# Altium PCB ROKET_SİGMA.PcbDoc (part 2 of 2)
Units mm, origin at the board's own origin, x right, y up, seen from the top; angles counter-clockwise.
Board outline 123.01 x 66 mm, 2 copper layers (Top Layer, Bottom Layer); 104 components, 83 nets, 451 pads, 77 vias.
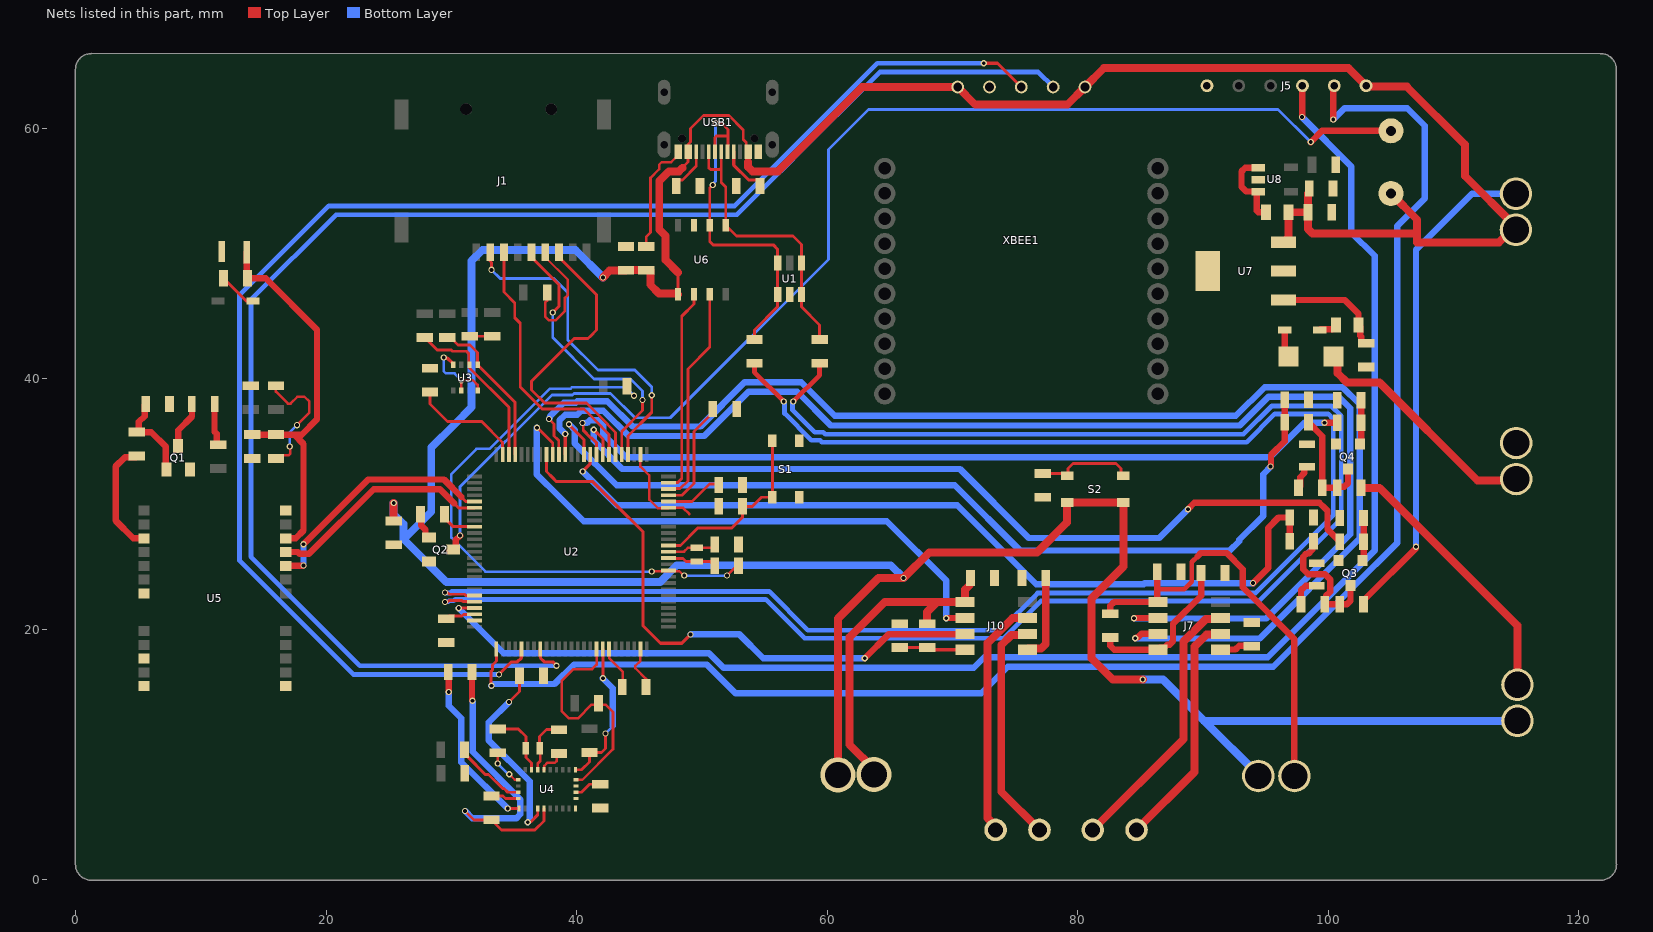
[diagram p2: the nets of this part, all layers, seen from the top]

## Via types
v1: diameter 0.5, hole 0.3, Top Layer to Bottom Layer, 73 vias
v2: diameter 4/0.6 (per signal layer), hole 2, Top Layer to Bottom Layer, 3 vias
v3: diameter 4, hole 2, Top Layer to Bottom Layer, 1 vias

## Nets (pads, with @x,y where several pads share a name; then routed paths per layer and width w, separated by ;. In a path a pad name is that pad's centre, name@x,y a point inside that pad or via, vN(x,y) a via of type N, cw(c..) or ccw(c..) an arc to the next point about the centre after c; other vN are vias at no path point) (continued)
+5V: BZ1.2 C21.2 C22.2 C23.2 C24.2 C27.2 FB2.1 J2.1 J3.1 J5.1 J6.1 J9.1 S2.3 S2.4 U6.5 U7.3 USB1.A4-B9 USB1.B4-A9 XBEE1.21 XBEE1.25 | length 312.2
  Top Layer w0.229: C23.2@45.2,48.675 C23.2@45.55,48.675 ; U6.5@48.095,46.75 48.1,46.755 48.1,48.5 ; 48.439,56.85 48.9,57.311 USB1.B4-A9@48.9,58.122 48.9,58.707 49.103,58.91 49.103,59.986 50.136,61.018 52.156,61.018 53.3,59.874 53.3,59.107 53.541,58.866 53.541,58.282 USB1.A4-B9@53.7,58.122 53.7,57.3
  Top Layer w0.635: C21.2@25.4,28.65 v1(25.4,30.1) ; v1(42.1,48.1) 42.643,48.643 43.917,48.643 C22.2@43.95,48.675 C23.2@45.2,48.675 ; C23.2@45.55,48.675 45.85,48.675 45.882,48.643 45.882,47.518 46.583,46.818 48.028,46.818 U6.5@48.095,46.75 ; 48.1,48.5 47.1,49.5 47.1,51.423 46.6,51.923 46.6,55.786 47.384,56.571 48.16,56.571 48.439,56.85 ; 53.7,57.3 53.7,56.905 54.034,56.571 56.071,56.571 62.8,63.3 XBEE1.21@70.42,63.3 71.831,61.889 79.169,61.889 XBEE1.25@80.58,63.3 82.08,64.8 101.62,64.8 J5.1@103.02,63.4 103.094,63.326 106.274,63.326 110.9,58.7 110.9,56.212 114.983,52.129 J2.1@114.983,51.9 114.628,51.9 113.628,50.9 107.1,50.9 107.1,51.6 ; J9.1@60.862,8.383 60.862,20.862 64.1,24.1 v1(66.1,24.1) 68.15,26.15 76.75,26.15 79.15,28.55 S2.3@79.15,30.125 S2.4@83.65,30.125 83.65,25.012 81.1,22.462 81.1,17.7 82.8,16 v1(85.2,16) ; U7.3@96.425,50.9 96.825,51.3 FB2.1@96.825,53.3 C24.2@98.375,53.3 ; C27.2@98.475,54.9 98.375,54.8 C24.2@98.375,53.3 ; BZ1.2@105,54.8 107.1,52.7 107.1,51.6 ; C24.2@98.375,53.3 98.375,51.972 98.747,51.6 107.1,51.6
  Bottom Layer w0.635: v1(25.4,30.1) 25.4,29.2 26.2,28.4 26.2,27.2 ; v1(42.1,48.1) 39.895,50.305 32.505,50.305 31.621,49.421 31.621,37.738 30.268,36.385 28.4,34.517 28.4,29.4 26.2,27.2 ; v1(66.1,24.1) 65.079,25.121 48.005,25.121 46.679,23.795 29.605,23.795 26.2,27.2 ; v1(85.2,16) 86.8,16 87.8,15 90.1,12.7 ; J6.1@94.424,8.3 94.424,8.376 90.1,12.7 ; J3.1@115.1,12.7 90.1,12.7
BME280_SCL: R4.1 U2.47 U3.4 | length 12.3
  Top Layer w0.229: R4.1@29.675,43.3 29.975,43.3 30.211,43.064 30.211,43.014 30.525,42.7 31.5,42.7 32.1,42.1 U3.4@32.1,41.125 35.097,38.128 U2.47@35.097,33.954
BME280_SDA: R5.1 U2.48 U3.3 | length 13.4
  Top Layer w0.229: R5.1@27.875,43.3 28.857,42.318 29.969,42.318 30.088,42.2 31.2,42.2 31.389,42.011 31.389,41.186 U3.3@31.45,41.125 31.45,40.875 34.597,37.728 U2.48@34.597,33.954
BUZZER: R15.1 U2.59 | length 3
  Top Layer w0.254: R15.1@29.45,29.175 29.45,28.9 30.146,28.204 U2.59@31.847,28.204
CH340N_UART_RX: U2.23 U6.7 | length 17.4
  Top Layer w0.229: U2.23@47.347,31.204 47.8,31.204 47.833,31.237 48.261,31.237 48.883,31.858 48.883,40.783 50.635,42.535 U6.7@50.635,46.75
CH340N_UART_TX: U2.24 U6.6 | length 16.3
  Top Layer w0.229: U2.24@47.347,31.704 47.379,31.737 48.078,31.737 48.4,32.058 48.4,45 49.365,45.965 U6.6@49.365,46.75
CS_SDCARD: J1.P2 U2.29 | length 26.5
  Top Layer w0.229: J1.P2@33.1,50.1 33.1,49.4 33.2,49.3 v1(33.2,48.7) ; U2.29@44.097,33.954 44.097,35.432 46,37.335 v1(46,38.7)
  Bottom Layer w0.229: v1(33.2,48.7) 33.9,48 38.2,48 39.3,46.9 39.3,43.1 41.7,40.7 44.649,40.7 46,39.349 v1(46,38.7)
Driver1_FWD: J7.2 U2.39 | length 103.1
  Top Layer w0.254: U2.39@39.097,33.954 39.098,33.956 39.098,35.598 v1(39.1,35.6)
  Top Layer w0.508: v1(84.5,20.9) 84.516,20.916 J7.2@86.403,20.916
  Bottom Layer w0.508: v1(39.1,35.6) 39.094,35.6 38.638,36.056 38.638,36.687 39.084,37.134 40.056,37.134 40.382,37.46 42.14,37.46 44.162,35.438 50.205,35.438 53.725,38.958 57.614,38.958 60.289,36.283 92.943,36.283 95.237,38.576 100.819,38.576 101.749,37.646 101.749,27.583 95.042,20.876 84.524,20.876 v1(84.5,20.9)
Driver1_REV: J7.3 U2.40 | length 107.3
  Top Layer w0.229: v1(37.8,36.8) 38.2,36.4 38.2,35.451 38.466,35.185 38.555,35.096 38.555,35.071 38.575,35.051 38.575,34.44 38.597,34.418 U2.40@38.597,33.954
  Top Layer w0.508: v1(84.6,19.3) 84.652,19.352 84.8,19.352 85.094,19.646 J7.3@86.403,19.646
  Bottom Layer w0.508: v1(37.8,36.8) 37.876,36.876 37.876,37.003 38.965,38.092 39.937,38.092 40.067,38.222 42.456,38.222 44.478,36.2 49.889,36.2 53.409,39.72 57.93,39.72 60.605,37.045 92.627,37.045 94.921,39.338 101.135,39.338 102.511,37.962 102.511,27.268 94.52,19.276 84.624,19.276 v1(84.6,19.3)
Driver2_FWD: J10.2 U2.41 | length 47.1
  Top Layer w0.229: v1(36.834,36.1) 36.868,36.1 38.092,34.876 38.092,33.959 U2.41@38.097,33.954
  Top Layer w0.254: v1(69.5,20.9) v1@69.516,20.916
  Top Layer w0.508: v1@69.516,20.916 J10.2@71.003,20.916
  Bottom Layer w0.508: v1(36.834,36.1) 36.834,32.367 38.565,30.636 ; 38.565,30.635 40.57,28.63 64.77,28.63 69.5,23.9 v1(69.5,20.9)
Driver2_REV: J10.3 U2.42 | length 46.7
  Top Layer w0.254: U2.42@37.597,33.954 37.597,32.603 38.1,32.1 38.4,31.8 41.3,31.8 43.1,30 45.3,27.8 45.3,20.3 46.7,18.9 48.4,18.9 v1(49.1,19.6)
  Top Layer w0.508: v1(63,17.7) 64.9,19.6 70.957,19.6 J10.3@71.003,19.646
  Bottom Layer w0.508: v1(49.1,19.6) 53,19.6 54.9,17.7 v1(63,17.7)
FÜNYE_DRAG: R18.2 R22.2 U2.35 | length 67.5
  Top Layer w0.254: v1(40.5,32.6) 40.5,32.64 41.077,33.217 41.077,33.334 41.097,33.354 U2.35@41.097,33.954
  Top Layer w0.508: v1(94,23.7) 95.2,24.9 95.2,28.1 96.031,28.931 R22.2@96.925,28.931 96.925,28.638 R18.2@96.925,27.231
  Bottom Layer w0.508: v1(40.5,32.6) 43.2,29.9 70.4,29.9 76.7,23.6 85.267,23.6 85.367,23.7 v1(94,23.7)
FÜNYE_MAIN: R19.2 R23.2 U2.36 | length 74.3
  Top Layer w0.229: v1(39.4,36.372) 39.4,36.343 40.597,35.146 U2.36@40.597,33.954
  Top Layer w0.508: v1(95.4,33) 95.428,33.028 95.428,33.922 96.525,35.019 R23.2@96.525,38.331
  Bottom Layer w0.508: v1(39.4,36.372) 39.406,36.372 39.862,35.916 39.862,34.838 43.2,31.5 70.2,31.5 75.4,26.3 92.15,26.3 92.9,27.05 92.9,27.15 94.8,29.05 94.8,32.4 v1(95.4,33)
GND: B1.2 C1.2 C2.1 C3.1 C4.1 C5.1 C6.1 C7.1 C8.1 C11.2 C12.2 C13.2 C14.1 C15.1 C16.1 C17.1 C18.1 C19.1 C20.1 C21.1 C22.1 C23.1 C24.1 C25.1 C26.1 C27.1 C28.1 C29.1 C30.1 J1.P6 J4.2 J5.6 LED3.2 LED4.2 Q1.2 Q2.2 Q3.2 Q4.2 R3.1 R6.1 R10.1 R12.1 R13.1 R14.1 R22.1 R23.1 R26.1 R27.1 R31.1 R35.1 S1.3 S1.4 U1.2 U2.10 U2.20 U2.27 U2.74 U2.99 U3.1 U3.5 U3.7 U4.2 U4.15 U4.16 U4.18 U4.25 U5.7 U5.10 U5.12 U5.13 U5.24 U6.3 U7.2 U7.4 U8.2 USB1.A1-B12 USB1.B1-A12 XBEE1.22 | length 98.9
  Top Layer w0.203: C20.1@16,33.65 16.25,33.9 17.01,33.9 17.155,34.045 17.155,34.545 v1(17.1,34.6) ; C16.1@16,39.45 16,38.981 16.955,38.026 17.174,38.026 17.721,38.573 18.279,38.573 18.673,38.179 18.673,37.305 v1(17.676,36.308) ; U3.7@30.8,39.075 v1(30.8,39.9) 31.711,39.9 32.1,39.511 U3.5@32.1,39.075 ; v1(33.7,9.3) C11.2@33.7,10.15 ; v1(34.633,8.433) 35.066,8 U4.2@35.35,8 ; U4.25@37.4,8.8 37.423,8.823 37.423,9.117 37.649,9.342 38.256,9.342 38.409,9.496 38.409,9.909 C12.2@38.6,10.1 ; J1.P6@37.5,50.1 37.5,49.71 39.3,47.91 39.3,46.7 39.07,46.47 39.07,45.413 38.351,44.694 37.769,44.694 37.494,44.969 37.494,46.094 37.65,46.25 C28.1@37.65,46.9 ; U2.99@45.097,18.444 45.097,17.497 44.684,17.084 44.684,16.916 45.55,16.05 R3.1@45.55,15.4 ; U2.27@45.097,33.954 45.097,33.003 45.8,32.3 45.8,30.367 46.493,29.674 47.317,29.674 U2.20@47.347,29.704 48.496,29.704 49,29.2 ; C23.1@45.55,50.575 45.55,51.341 45.9,51.691 45.9,56.038 46.6,56.738 46.6,57.1 46.792,57.292 47.544,57.292 48.1,57.847 USB1.B1-A12@48.1,58.122 ; v1(46,24.617) 46.044,24.661 47.303,24.661 U2.10@47.347,24.704 47.392,24.659 48.195,24.659 48.553,24.3 v1(48.6,24.3) ; v1(52,24.3) 52.775,25.075 C3.1@52.925,25.075
  Top Layer w0.279: v1(29.4,41.7) 29.442,41.658 29.692,41.658 30.115,41.235 30.115,41.16 U3.1@30.15,41.125
  Bottom Layer w0.203: v1(17.1,34.6) 17.1,35.732 v1(17.676,36.308) ; v1(29.4,41.7) 29.4,40.6 29.555,40.445 30.255,40.445 v1(30.8,39.9) ; v1(33.7,9.3) 34.567,8.433 v1(34.633,8.433) ; v1(44.579,38.66) 43.925,39.314 39.614,39.314 39.5,39.2 37.852,39.2 33.063,34.411 32.011,34.411 30,32.4 30,27.333 32.716,24.617 v1(46,24.617) ; v1(48.6,24.3) v1(52,24.3)
GPS_UART_RX: U2.56 U5.21 | length 17.9
  Top Layer w0.229: 30.248,30.048 30.593,29.704 U2.56@31.847,29.704
  Top Layer w0.508: U5.21@16.775,26.175 17.753,26.175 17.884,26.044 18.644,26.044 23.8,31.2 29.097,31.2 30.248,30.048
GPS_UART_TX: U2.55 U5.20 | length 19.7
  Top Layer w0.229: v1@18.175,25.075 v1(18.2,25.1) ; 30.79,30.585 30.79,30.562 31.148,30.204 U2.55@31.847,30.204
  Top Layer w0.508: U5.20@16.775,25.075 v1@18.175,25.075 ; v1(18.2,26.806) 23.356,31.962 29.412,31.962 30.79,30.585
  Bottom Layer w0.508: v1(18.2,25.1) v1(18.2,26.806)
MCU_N: R2.1 U2.70 | length 137
  Top Layer w0.229: v1(29.5,22.941) 29.708,22.941 29.844,22.805 31.047,22.805 31.051,22.801 31.053,22.801 31.118,22.736 31.12,22.736 31.144,22.712 31.838,22.712 U2.70@31.847,22.704
  Top Layer w0.381: R2.1@54.2,41.25 54.2,40.546 v1(56.546,38.2)
  Bottom Layer w0.381: v1(29.5,22.941) 29.523,22.918 29.932,22.918 30.048,23.033 55.365,23.033 58.463,19.935 73.836,19.935 76.803,22.902 94.189,22.902 100.399,29.111 100.399,36.789 99.989,37.199 95.745,37.199 93.495,34.949 59.584,34.949 59.433,35.1 58.748,35.1 56.606,37.242 56.606,38.108 56.546,38.168 v1(56.546,38.2)
MCU_P: R1.1 U2.71 | length 138.3
  Top Layer w0.229: v1(29.5,22.187) 29.708,22.187 29.844,22.322 30.347,22.322 30.351,22.318 30.854,22.318 30.918,22.254 30.921,22.254 30.945,22.23 31.361,22.23 31.387,22.204 U2.71@31.847,22.204
  Top Layer w0.381: v1(57.3,38.2) 59.4,40.3 R1.1@59.4,41.25 R1.1@59.1,41.25
  Bottom Layer w0.381: v1(29.5,22.187) 29.523,22.209 29.751,22.209 29.824,22.283 30.195,22.283 30.311,22.398 55.102,22.398 58.2,19.3 74.099,19.3 77.066,22.267 94.452,22.267 101.034,28.848 101.034,37.052 100.252,37.834 95.482,37.834 93.232,35.584 59.847,35.584 59.696,35.735 59.011,35.735 57.241,37.506 57.241,38.108 57.3,38.168 v1(57.3,38.2)
NetB1_1: B1.1 C19.2 C20.2 R7.1 U5.22 | length 31.8
  Top Layer w0.508: B1.1@13.675,50.113 13.675,48.075 R7.1@13.725,48.025 15.175,48.025 19.283,43.917 19.283,36.783 18.05,35.55 17.45,35.55 ; C19.2@14.1,35.55 C20.2@16,35.55 17.45,35.55 ; U5.22@16.775,27.275 17.575,27.275 18.2,27.9 18.2,34.8 17.45,35.55
NetBZ1_1: BZ1.1 Q2.3 | length 100.3
  Top Layer w0.508: Q2.3@30.125,26.375 30.217,26.375 30.363,26.521 30.363,27.153 v1(30.7,27.49) ; v1(98.6,58.9) 99.5,59.8 BZ1.1@105,59.8
  Bottom Layer w0.229: v1(30.7,27.49) 30.7,31.384 38.031,38.714 39.679,38.714 39.809,38.844 42.713,38.844 44.658,36.9 47.47,36.9 60.1,49.53 60.1,58.3 63.3,61.5 96,61.5 v1(98.6,58.9)
NetC2_2: C2.2 U2.22 | length 9
  Top Layer w0.229: U2.22@47.347,30.704 47.35,30.707 48.414,30.707 49.365,31.658 49.365,35.8 50.876,37.311 C2.2@50.876,37.59
NetC5_2: C5.2 U2.49 | length 9
  Top Layer w0.229: C5.2@28.3,38.95 28.3,38 29.7,36.6 32.426,36.6 34.097,34.929 U2.49@34.097,33.954
NetC6_2: C6.2 U2.73 | length 2.4
  Top Layer w0.229: C6.2@29.6,20.85 29.832,21.082 30.856,21.082 30.978,21.204 U2.73@31.847,21.204
NetC7_2: C7.2 U2.21 | length 4.6
  Top Layer w0.229: U2.21@47.347,30.204 49.204,30.204 50.6,31.6 51.275,31.6 C7.2@51.35,31.525
NetC8_2: C8.2 S1.1 S1.2 U2.14 | length 14.9
  Top Layer w0.229: U2.14@47.347,26.704 48.29,26.704 49.675,28.09 52.39,28.09 53.25,28.949 C8.2@53.25,29.825 54.025,29.825 54.75,30.55 S1.1@55.625,30.55 S1.2@55.625,35.05
NetC9_1: C9.1 C10.1 | length 1.8
  Top Layer w0.229: C10.1@31.475,43.4 C9.1@33.275,43.4
NetC11_1: C11.1 U4.27 Y2.1 | length 5.3
  Top Layer w0.229: C11.1@33.7,12.05 35.35,12.05 35.95,11.45 35.95,9.78 36.395,9.335 36.395,8.805 U4.27@36.4,8.8
NetC12_1: C12.1 U4.26 Y2.2 | length 4.5
  Top Layer w0.229: U4.26@36.9,8.8 36.9,9.3 37.1,9.5 37.1,10.45 Y2.2@37.05,10.5 37.05,11.45 37.6,12 C12.1@38.6,12
NetC14_2: C14.2 U4.9 | length 15.7
  Top Layer w0.229: v1(34.6,14.2) 35.45,15.05 C14.2@35.45,16.3 ; v1(36.1,4.6) 36.152,4.652 36.352,4.652 36.9,5.2 U4.9@36.9,5.7
  Bottom Layer w0.508: v1(34.6,14.2) 33,12.6 33,11.137 36.262,7.875 36.262,4.762 v1(36.1,4.6)
NetC17_2: C17.2 J6.2 J7.1 R8.2 | length 34.6
  Top Layer w0.381: 86.403,23.203 88.503,23.203 89.106,23.806 89.106,25.382 89.578,25.854
  Top Layer w0.508: R8.2@82.6,21.25 82.6,21.888 82.898,22.186 J7.1@86.403,22.186 86.35,22.238 C17.2@86.35,24.6 ; 89.578,25.854 89.824,26.1 91.886,26.1 93.179,24.808 93.179,23.36 97.3,19.238 J6.2@97.3,8.3
NetC18_2: C18.2 J7.5 | length 2.7
  Top Layer w0.508: J7.5@91.398,18.376 91.422,18.4 92.6,18.4 92.9,18.7 93.85,18.7 C18.2@93.9,18.65
NetC25_2: C25.2 FB1.2 U7.1 | length 9.2
  Top Layer w0.508: U7.1@96.425,46.3 101.316,46.3 102.414,45.202 FB1.2@102.414,44.3 102.56,44.154 102.56,43.44 102.629,43.371 102.629,42.946 102.725,42.85 C25.2@103.025,42.85
NetC29_2: C29.2 J9.2 J10.1 R34.2 | length 26.3
  Top Layer w0.635: J9.2@63.738,8.418 63.738,8.851 61.792,10.797 61.792,19.379 64.598,22.186 68.786,22.186 ; R34.2@68,20.45 67.981,20.469 67.981,21.381 68.786,22.186 ; C29.2@71.45,24.1 71.417,24.067 71.417,23.589 71.003,23.174 J10.1@71.003,22.186 68.786,22.186
NetC30_2: C30.2 J10.5 | length 6.9
  Top Layer w0.635: J10.5@75.998,18.376 76.081,18.459 77.078,18.459 77.45,18.831 C30.2@77.45,24.1
NetD1_1: D1.1 R7.2 | length 3.1
  Top Layer w0.229: R7.2@11.825,48.025 13.625,46.225 D1.1@14.175,46.225
NetD3_1: D3.1 FB1.1 | length 1.5
  Top Layer w0.508: D3.1@99.325,43.9 99.379,43.954 100.339,43.954 100.625,44.239 FB1.1@100.625,44.3
NetD3_2: D3.2 F1.2 | length 2.2
  Top Layer w0.508: D3.2@96.525,43.9 96.525,42.1 F1.2@96.825,41.8
NetFB2_2: FB2.2 U8.1 U8.3 | length 6.5
  Top Layer w0.508: U8.3@94.416,54.953 U8.3@94.286,54.953 ; U8.1@94.416,56.853 93.374,56.853 93.076,56.556 93.076,55.324 93.447,54.953 U8.3@94.286,54.953 ; FB2.2@95.036,53.3 94.42,53.3 94.286,53.434 U8.3@94.286,54.953
NetJ2_2: J2.2 R16.2 | length 39.9
  Top Layer w0.508: R16.2@102.825,22 102.921,22.096 102.921,22.396 107,26.475 v1(107,26.6)
  Bottom Layer w0.508: v1(107,26.6) 107,50.3 111.476,54.776 J2.2@114.983,54.776
NetJ3_2: J3.2 R17.2 | length 21.8
  Top Layer w0.635: R17.2@102.625,31.3 104.1,31.3 115.1,20.3 J3.2@115.1,15.576
NetJ7_4: J7.4 R8.1 R10.2 | length 12.4
  Top Layer w0.508: R8.1@82.6,19.35 82.6,18.7 82.924,18.376 J7.4@86.403,18.376 86.55,18.523 86.901,18.523 87.166,18.788 87.344,18.788 87.612,19.056 87.612,20.461 89.85,22.699 R10.2@89.85,24.5
NetJ7_6: J7.6 J8.1 | length 19
  Top Layer w0.635: J8.1@84.7,4 89.327,8.627 89.327,18.627 89.7,19 90.3,19.6 91.352,19.6 J7.6@91.398,19.646
NetJ7_7: J7.7 J8.2 | length 21.8
  Top Layer w0.635: J8.2@81.2,4 88.438,11.238 88.438,19.038 90.241,20.841 91.323,20.841 J7.7@91.398,20.916
NetJ10_4: J10.4 R34.1 R35.2 | length 5
  Top Layer w0.254: R35.2@66.1,18.55 R34.1@68,18.55 68.174,18.376 J10.4@71.003,18.376
NetJ10_6: J10.6 J11.1 | length 18.5
  Top Layer w0.635: J10.6@75.998,19.646 75.914,19.562 74.72,19.562 73.9,18.743 73.9,7.05 J11.1@76.95,4
NetJ10_7: J10.7 J11.2 | length 19.2
  Top Layer w0.635: J11.2@73.45,4 73.45,4.304 72.8,4.954 72.8,18.9 74.8,20.9 75.982,20.9 J10.7@75.998,20.916
NetLED2_1: LED2.1 R9.1 | length 3.4
  Top Layer w0.508: LED2.1@11.1,38 11.1,35.781 11.273,35.608 11.273,34.877 R9.1@11.4,34.75
NetLED2_2: LED2.2 Q1.3 | length 3.8
  Top Layer w0.508: Q1.3@8.2,34.65 8.2,35.9 9.3,37 LED2.2@9.3,38
NetLED3_1: LED3.1 R20.1 | length 2.5
  Top Layer w0.508: R20.1@97.825,22 97.825,23.13 98.195,23.5 LED3.1@99.075,23.5
NetLED4_1: LED4.1 R21.1 | length 2
  Top Layer w0.508: R21.1@97.625,31.3 97.759,31.434 97.759,32.159 98.091,32.491 98.091,32.814 98.277,33 LED4.1@98.3,33
NetQ1_1: Q1.1 R11.2 R12.2 | length 7.2
  Top Layer w0.508: R12.2@5.6,38 5.519,37.919 5.519,37.019 5.064,36.564 5.064,35.846 4.968,35.75 R11.2@4.9,35.75 6.05,35.75 7.2,34.6 7.2,32.8 Q1.1@7.25,32.75
NetQ2_1: Q2.1 R15.2 | length 2.2
  Top Layer w0.508: R15.2@27.55,29.2 27.582,29.168 27.582,28.318 27.943,27.957 27.943,27.598 28.216,27.325 Q2.1@28.225,27.325
NetQ3_1: Q3.1 R24.2 R26.2 | length 3.2
  Top Layer w0.254: Q3.1@102.725,25.5 Q3.1@102.825,25.6
  Top Layer w0.508: Q3.1@102.825,25.6 R24.2@102.825,27 ; R24.2@102.825,27.2 R26.2@102.825,28.9
NetQ3_3: Q3.3 R16.1 R18.1 R20.2 | length 10.7
  Top Layer w0.508: R18.1@98.825,27.031 98.729,26.935 98.729,26.355 98.431,26.057 98.261,26.057 97.993,25.789 97.993,24.811 98.403,24.4 99.747,24.4 100.157,23.989 100.157,23.011 99.821,22.674 99.821,22.096 R20.2@99.725,22 R16.1@100.925,22 101.5,22 101.775,22.275 Q3.3@101.775,23.5
NetQ4_1: Q4.1 R25.2 R27.2 | length 3.5
  Top Layer w0.229: Q4.1@102.525,34.8 Q4.1@102.625,34.9
  Top Layer w0.508: Q4.1@102.625,34.9 R25.2@102.625,36.5 R27.2@102.625,38.3
NetQ4_3: Q4.3 R17.1 R19.1 R21.2 | length 9
  Top Layer w0.508: R19.1@98.425,36.531 99.525,35.431 R21.2@99.525,31.3 R17.1@100.725,31.3 100.809,31.384 101.284,31.384 101.575,31.675 Q4.3@101.575,32.8
NetR3_2: R3.2 U2.94 | length 3.2
  Top Layer w0.203: U2.94@42.597,18.444 42.614,18.427 42.614,17.686 43.7,16.6 43.7,15.7 R3.2@43.725,15.675
NetR6_2: R6.2 S2.1 S2.2 | length 7.8
  Top Layer w0.229: R6.2@77.2,32.45 78.975,32.45 S2.1@79.15,32.275 79.234,32.359 79.234,32.834 79.633,33.233 83.067,33.233 83.466,32.834 83.466,32.459 S2.2@83.65,32.275
NetR13_2: R13.2 USB1.A5 | length 4
  Top Layer w0.254: USB1.A5@52.55,58.122 52.55,57.067 53.745,55.872 54.427,55.872 54.65,55.649 R13.2@54.65,55.4
NetR14_2: R14.2 USB1.B5 | length 3.5
  Top Layer w0.229: R14.2@47.95,55.4 47.95,55.649 48.186,55.885 48.444,55.885 49.55,56.991 USB1.B5@49.55,58.122
NetR28_1: R28.1 U2.93 U4.20 | length 12.1
  Top Layer w0.229: U4.20@39.9,8.8 40.4,8.8 41.025,9.425 R28.1@41.025,10.175 41.977,10.175 42.3,10.498 v1(42.3,11.7) ; U2.93@42.097,18.444 42.1,18.441 v1(42.1,16.1)
  Bottom Layer w0.229: v1(42.3,11.7) 42.9,12.3
  Bottom Layer w0.508: v1(42.1,16.1) 42.9,15.3 42.9,12.3
NetR29_2: R29.2 U2.92 U4.19 | length 19
  Top Layer w0.203: U4.19@39.95,8 40.467,8 42.906,10.439 42.906,13.394 42.3,14 41.85,14 R29.2@41.75,14.1 41.65,14 41.2,14 40.1,12.9 39.4,12.9 38.8,13.5 38.8,15.9 39.736,16.836 41.237,16.836 41.597,17.196 U2.92@41.597,18.444
NetR30_1: R30.1 U4.4 | length 5.4
  Top Layer w0.229: R30.1@31.15,10 31.314,9.836 31.314,9.83 32.712,8.432 32.975,8.432 34.101,7.306 34.193,7.306 34.5,7 U4.4@35.35,7
NetR31_2: R31.2 U4.17 | length 2.2
  Top Layer w0.229: U4.17@39.95,7 40.4,7 41.041,7.641 41.891,7.641 R31.2@41.9,7.65
NetR32_1: R32.1 R33.1 U4.10 | length 25.8
  Top Layer w0.229: v1(31.1,5.5) 31.8,4.8 R32.1@33.2,4.8 34.018,3.982 36.657,3.982 36.975,4.3 37,4.3 37.4,4.7 U4.10@37.4,5.7 ; v1@31.65,14.35 v1(31.7,14.3)
  Top Layer w0.508: v1@31.65,14.35 R33.1@31.65,16.6
  Bottom Layer w0.508: v1(31.1,5.5) 31.102,5.5 31.664,4.938 35.202,4.938 35.5,5.236 35.5,6.428 31.7,10.228 v1@31.7,14.195
NetR32_2: R32.2 U4.5 | length 2.2
  Top Layer w0.229: R32.2@33.2,6.7 34.117,6.7 34.317,6.5 U4.5@35.35,6.5
NetR33_2: R33.2 U4.6 | length 13.8
  Top Layer w0.229: R33.2@29.75,16.6 R33.2@29.8,16.55 ; v1(34.5,5.7) U4.6@35.4,5.7
  Top Layer w0.508: v1(29.8,15) R33.2@29.8,16.55
  Bottom Layer w0.508: v1(29.8,15) 29.8,13.9 30.8,12.9 30.8,9.4 v1(34.5,5.7)
OSC_IN: C3.2 U2.12 Y1.2 | length 3.9
  Top Layer w0.229: U2.12@47.347,25.704 47.377,25.674 48.491,25.674 48.74,25.425 50.675,25.425 C3.2@51.025,25.075
OSC_OUT: C4.2 U2.13 Y1.1 | length 3.9
  Top Layer w0.203: U2.13@47.347,26.204 48.573,26.204 48.889,26.52 49.32,26.52 49.325,26.525 50.777,26.525 C4.2@51.025,26.775 C4.2@51.025,26.775
SPI1_MISO_SDCARD: J1.P7 U2.31 | length 24.9
  Top Layer w0.229: J1.P7@38.6,50.1 38.6,49.71 41.6,46.71 41.6,43.9 41.1,43.4 40.914,43.214 39.814,43.214 36.414,39.814 36.414,39.116 37.454,38.076 40.781,38.076 42.465,36.392 42.465,36.361 43.097,35.729 U2.31@43.097,33.954
SPI1_MOSI_SDCARD: J1.P3 U2.32 | length 21.6
  Top Layer w0.229: J1.P3@34.2,50.1 34.2,46.924 35.064,46.06 35.064,44.879 35.5,44.443 35.5,39.348 37.254,37.593 40.581,37.593 41.982,36.192 41.982,36.161 42.597,35.546 U2.32@42.597,33.954
SPI1_SCK_SDCARD: J1.P5 U2.30 | length 22.6
  Top Layer w0.229: J1.P5@36.4,50.1 36.4,49.71 38.6,47.51 38.6,45.8 v1(38.1,45.3) ; U2.30@43.597,33.954 43.6,33.957 43.6,35.8 45.266,37.466 v1(45.266,38.307)
  Bottom Layer w0.229: v1(38.1,45.3) 38.1,43.3 41.4,40 44.3,40 45.266,39.034 v1(45.266,38.307)
SWCLK: J5.2 U2.76 | length 127.2
  Top Layer w0.229: v1(33.2,15.5) 33.182,15.518 33.182,16.656 33.295,16.77 33.295,17.17 33.597,17.471 U2.76@33.597,18.444
  Top Layer w0.508: v1(100.4,60.7) 100.4,63.32 J5.2@100.48,63.4
  Bottom Layer w0.508: v1(33.2,15.5) 33.342,15.642 38.242,15.642 39.8,17.2 50.387,17.2 52.687,14.9 72.3,14.9 74.417,17.017 95.617,17.017 102,23.4 105.5,26.9 105.5,52.2 107.7,54.4 107.7,60.2 106.3,61.6 101.3,61.6 v1(100.4,60.7)
SWDIO: J5.3 U2.72 | length 119.7
  Top Layer w0.229: v1(30.6,21.7) 30.602,21.702 31.845,21.702 U2.72@31.847,21.704
  Top Layer w0.508: v1(97.9,60.9) 97.92,60.92 97.92,63.38 J5.3@97.94,63.4
  Bottom Layer w0.508: v1(30.6,21.7) 34.2,18.1 50.565,18.1 51.727,16.938 71.707,16.938 72.549,17.779 95.179,17.779 103.7,26.3 103.7,49.822 101.85,51.672 101.85,56.95 v1(97.9,60.9)
TIMEPULSE: R11.1 U5.3 | length 9.2
  Top Layer w0.508: R11.1@4.9,33.85 4.804,33.754 3.954,33.754 3.2,33 3.2,28.7 4.625,27.275 U5.3@5.475,27.275
TRIG_DRAG: R24.1 U2.33 | length 69.2
  Top Layer w0.229: v1(41.364,35.936) 42.097,35.203 U2.33@42.097,33.954
  Top Layer w0.508: v1(88.8,29.6) 89.3,30.1 99.3,30.1 99.362,30.038 99.364,30.038 99.632,29.77 99.632,29.768 99.941,29.459 99.941,27.984 R24.1@100.925,27
  Bottom Layer w0.508: v1(41.364,35.936) 41.364,35.09 43.654,32.8 70.6,32.8 76.1,27.3 86.5,27.3 v1(88.8,29.6)
TRIG_MAIN: R25.1 U2.34 | length 66.1
  Top Layer w0.229: v1(40.476,36.476) 40.528,36.424 40.528,35.897 41.137,35.288 41.205,35.288 41.597,34.897 U2.34@41.597,33.954
  Top Layer w0.508: v1(99.7,36.5) R25.1@100.725,36.5
  Bottom Layer w0.508: v1(40.476,36.476) 40.827,36.476 41.048,36.698 41.68,36.698 42.126,36.252 42.126,35.574 43.96,33.74 95.068,33.74 95.09,33.762 95.362,33.762 98.1,36.5 v1(99.7,36.5)
USB_N: R2.2 U1.1 U1.6 U6.2 USB1.A7 USB1.B7 | length 28.5
  Top Layer w0.229: v1(50.868,55.468) 50.635,55.235 U6.2@50.635,52.25 50.635,50.965 50.9,50.7 55.7,50.7 56.05,50.35 U1.6@56.05,49.255 U1.1@56.05,46.745 56.05,45.75 54.2,43.9 R2.2@54.2,43.15 ; USB1.A7@51.05,58.122 51.05,59.266 51.184,59.4 52.083,59.4 ; v1(51.1,60.4) 51.6,60.4 52.083,59.917 52.083,59.4 ; USB1.B7@52.05,58.122 52.05,58.551 52.083,58.583 52.083,59.4
  Bottom Layer w0.229: v1(50.868,55.468) 50.868,55.541 51.1,55.773 v1(51.1,60.4)
USB_P: R1.2 U1.3 U1.4 U6.1 USB1.A6 USB1.B6 | length 23.3
  Top Layer w0.229: USB1.B6@50.55,58.122 50.55,56.85 50.7,56.7 51.416,56.7 51.55,56.834 ; USB1.A6@51.55,58.122 51.55,56.834 ; R1.2@59.4,43.15 59.4,44.3 57.95,45.75 U1.3@57.95,46.745 U1.4@57.95,49.255 57.95,50.724 57.274,51.4 52.755,51.4 U6.1@51.905,52.25 51.905,55.322 51.55,55.677 51.55,56.575 51.55,56.834
VCC: F1.1 J4.1 | length 19.3
  Top Layer w0.635: F1.1@100.425,41.8 100.751,41.474 100.751,40.449 101.5,39.7 104.1,39.7 111.9,31.9 114.9,31.9 J4.1@115,32
XBEE_UART_RX: U2.83 XBEE1.24 | length 122.9
  Top Layer w0.254: U2.83@37.097,18.444 37.097,17.844 37.117,17.824 37.117,17.707 37.42,17.404 38.096,17.404 v1(38.4,17.1)
  Bottom Layer w0.381: v1(38.4,17.1) 22.7,17.1 14,25.8 14,46.3 20.8,53.1 52.8,53.1 56.268,56.568 56.285,56.568 57.225,57.508 57.225,57.525 64.192,64.492 76.848,64.492 XBEE1.24@78.04,63.3
XBEE_UART_TX: U2.80 XBEE1.23 | length 119.6
  Top Layer w0.254: v1(33.8,16.4) 34.806,17.406 35.276,17.406 35.577,17.707 35.577,18.424 U2.80@35.597,18.444 ; v1(72.5,65.2) 73.6,65.2 XBEE1.23@75.5,63.3
  Bottom Layer w0.381: v1(33.8,16.4) 22.2,16.4 13.1,25.5 13.1,46.7 20.208,53.808 52.61,53.808 56.005,57.203 56.022,57.203 56.59,57.771 56.59,57.788 64.002,65.2 v1(72.5,65.2)
pads on no net: J1. J1.P1 J1.P8 J1.P9 J1.SH1 J1.SH2 J1.SH3 J1.SH4 J5.4 J7.8 J10.8 U2.1 U2.2 U2.3 U2.4 U2.5 U2.7 U2.8 U2.9 U2.15 U2.16 U2.17 U2.18 U2.25 U2.26 U2.37 U2.38 U2.43 U2.44 U2.45 U2.46 U2.51 U2.52 U2.53 U2.54 U2.57 U2.58 U2.60 U2.61 U2.62 U2.63 U2.64 U2.65 U2.66 U2.67 U2.68 U2.69 U2.77 U2.78 U2.79 U2.81 U2.82 U2.84 U2.85 U2.86 U2.87 U2.88 U2.89 U2.90 U2.91 U2.95 U2.96 U2.97 U2.98 U4.1 U4.7 U4.8 U4.11 U4.12 U4.13 U4.14 U4.21 U4.22 U4.23 U4.24 U5.1 U5.2 U5.4 U5.5 U5.6 U5.8 U5.9 U5.11 U5.14 U5.15 U5.16 U5.17 U5.18 U5.19 U6.4 U6.8 U8.4 USB1. USB1.A8 USB1.B8 USB1.S1 USB1.S2 USB1.S3 USB1.S4 XBEE1.1 XBEE1.2 XBEE1.3 XBEE1.4 XBEE1.5 XBEE1.6 XBEE1.7 XBEE1.8 XBEE1.9 XBEE1.10 XBEE1.11 XBEE1.12 XBEE1.13 XBEE1.14 XBEE1.15 XBEE1.16 XBEE1.17 XBEE1.18 XBEE1.19 XBEE1.20
copper on no net:
  other v2: 3.3,3.2 3.3,62.6 119.7,62.6
  other v3: 119.7,3.2

## Polygon pours and split planes (outlines as drawn)
GND on Top Layer "L2-No Net" (solid, remove dead copper, pour order 5): 1.8,47.1 7.2,52.5 16.4,52.5 23.1,59.2 23.1,62.1 24.9,63.9 59.5,63.9 60.8,65.2 111.9,65.2 117.2,59.9 117.2,7.7 112,2.5 10.7,2.5 1.8,11.4
+3V3 on Top Layer "L2-No Net" (solid, remove dead copper, pour order 3): 26,44.4 25.7,44.7 25.7,46.7 26.1,47.1 33.4,47.1 34.6,45.9 34.6,44.4

## Keep-outs
Keep-Out Layer:
  lines w0.1: 1.27,-0.025 cw(c1.27,1.245) 0,1.245 0,64.7 cw(c1.27,64.7) 1.27,65.97 ; 1.27,65.974 121.7,65.969 ; 1.3,-0.025 121.741,-0.025 ccw(c121.741,1.245) 123.011,1.245 ; 103.011,7.145 ccw(c103.011,7.159) 103.025,7.159 ; 121.73,65.97 cw(c121.73,64.7) 123,64.7 123,1.245

## Silkscreen, mask and mechanical layers (free items; w line width, h text height)
Top Overlay:
  drawing of 3850 lines, arcs and shapes, not listed